# KiCad board trifecta.kicad_pcb (continued)
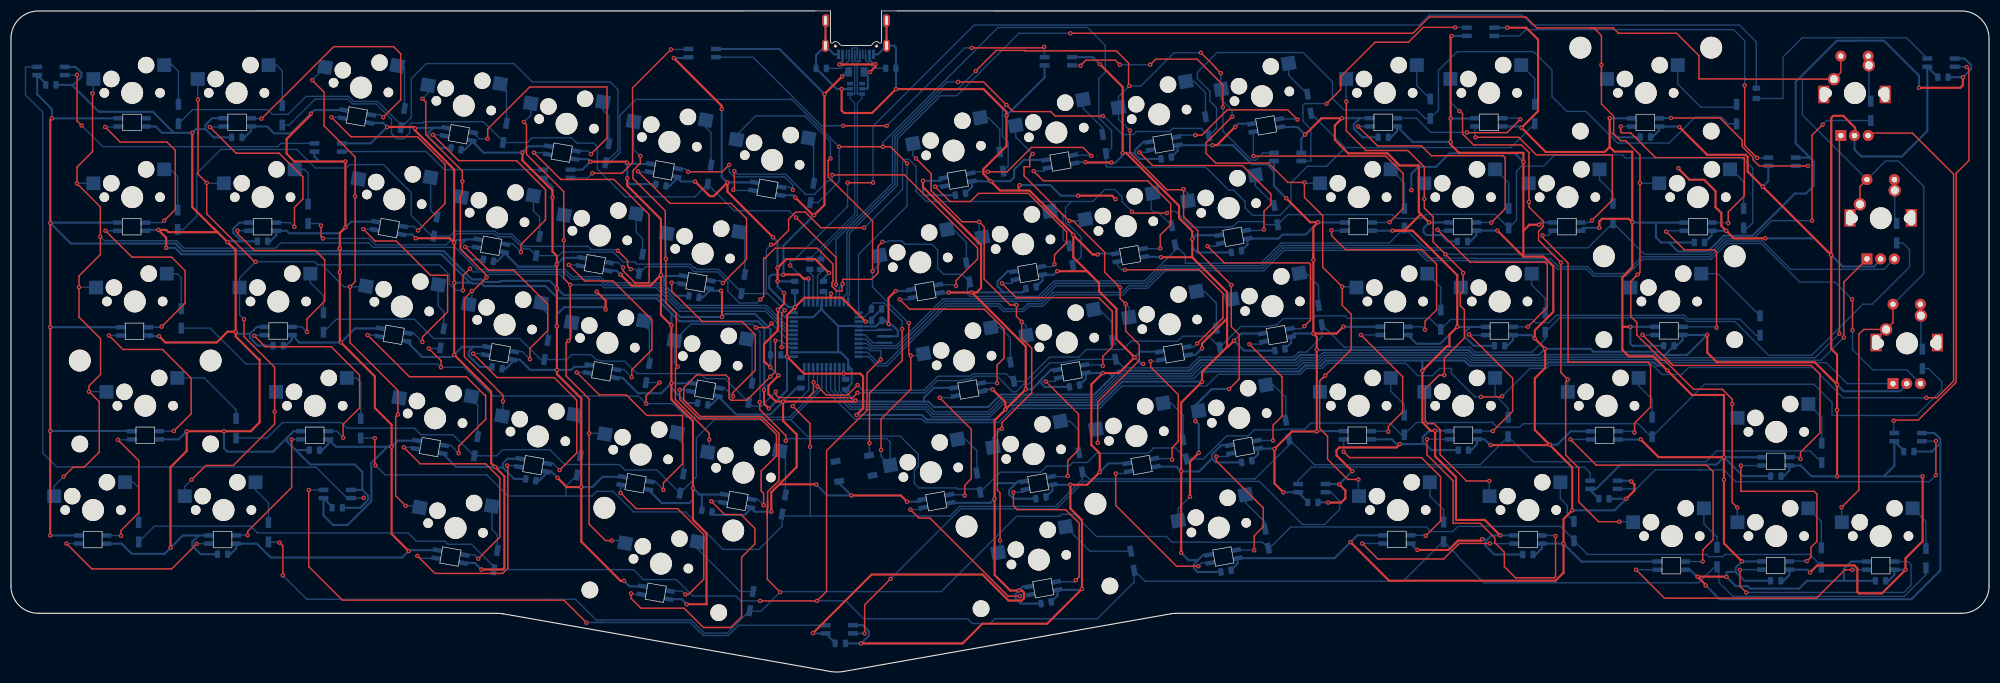
[diagram p0: board, top side]
## Routing (per net, layer and track width the routed paths; a pad name or vN(x,y) marks a point on that pad's centre or on a via; arc(x,y) is an arc through that point) (continued)
VBUS: length 18.4
  Top w0.381: v1(151.19,111) 157.69,111 v1(157.76,111.06) 157.76,110.57 v1(156.79,109.6)
  Bottom w0.381: v1(151.19,111) 151.77,111.57 J1.A4B9 ; v1(157.76,111.06) 157.46,111.06 156.67,111.85 J1.B4A9 ; U2.5 156.23,106.54 156.38,106.69 156.38,108.94 F1.2 155.71,109.6 v1(156.79,109.6)
0col: length 463.7
  Top w0.25: 288.24,117.66 278.47,117.66 276.47,119.66 258.83,119.66 255.85,116.68 v1(193.33,116.68) ; 288.24,117.66 288.86,117.66 290.25,116.27 v1(290.25,110.92) 290.25,103.76 292.49,101.53 292.49,98.39 292.45,98.35 293.73,97.07 294.69,97.07 297.29,94.47 v1(297.29,89.35) 297.29,73.01 v1(296.87,72.59) 295.62,71.35 295.62,64.95 296.71,63.86 296.71,61.57 301.33,56.95 301.77,56.95 307.07,51.65 312.31,51.65 314.11,49.85 v1(314.11,48.99) 314.11,30.98 v1(315.06,30.04) ; 288.24,117.66 292.4,117.66 293.38,116.68 303.97,116.68 308.06,112.59 308.06,108.36 316.6,108.36 316.66,108.3 K_31.1 ; SW2.S2 333.94,109.53 K_31.1 ; K_31.1 332.15,108.85 ; v1(334.09,30.1) 337.24,33.26 337.24,61.72 338.1,62.58 K_61.1 343.46,63.84 SW4.S2 ; SW3.S2 337.43,88.68 K_46.1
  Bottom w0.25: SW4.S2 349.08,72.81 349.08,88.71 344.43,93.36 342.11,93.36 SW3.S2 326.92,101.76 326.92,108.3 ; v1(314.11,48.99) 314.11,47.39 K_60.1 ; K_30.1 297.35,89.28 v1(297.29,89.35) ; 326.92,108.3 326.88,108.26 ; 326.92,108.3 K_31.1 ; v1(334.09,30.1) 334.09,27.41 K_72.1 ; U1.11 152.79,68.68 153.01,68.9 153.01,80.14 161.77,88.9 161.77,97.43 169.61,105.27 172.59,105.27 176.83,109.51 176.83,109.54 183.97,116.68 v1(193.33,116.68) ; v1(290.25,110.92) 290.25,109.35 K_15.1 ; K_71.1 315.06,27.39 v1(315.06,30.04) ; K_45.1 295.55,71.28 v1(296.87,72.59)
0row: length 10.8
  Bottom w0.25: 339.06,112.51 339.06,104.76 339.54,104.29 ; K_31.2 338.94,110.96 SW2.S1 ; 339.06,103.93 339.56,103.43
1row: length 8.4
  Bottom w0.25: D_46.2 343.78,82.29 K_46.2 343.71,88.05 SW3.S1 ; 344.16,81.24 344.32,81.08
2row: length 8.4
  Bottom w0.25: D_61.2 348.56,59.25 K_61.2 348.46,65.21 SW4.S1
col0: length 232.4
  Top w0.25: v1(9.62,35.69) 11.33,37.39 13.31,37.39 16.11,40.19 16.11,49.36 v1(14.25,51.23) 14.25,52.27 16.35,54.38 16.35,60.9 12.42,64.83 v1(12.42,70.29) 12.42,72.37 16.31,76.27 v1(16.31,79.53) 16.31,81.88 ; v1(14.89,105.71) 14.89,95.08 12.04,92.23 v1(12.04,89.23) 16.31,84.96 16.31,81.88 ; 16.31,81.88 16.31,82.13
  Bottom w0.25: v1(9.62,35.69) 7.9,33.96 K_62.1 ; v1(14.89,105.71) 15.04,105.86 K_1.1 ; v1(12.04,89.23) 12.1,89.28 K_17.1 ; v1(12.42,70.29) 15.46,70.29 K_33.1 ; v1(14.25,51.23) 17.37,51.23 K_47.1 ; U1.41 141.62,63.22 137.86,66.97 122.24,66.97 118.09,71.12 108.63,71.12 107.52,72.23 102.41,72.23 101.1,73.54 85.09,73.54 81.05,77.58 66.12,77.58 65.31,78.39 49.22,78.39 48.25,77.42 31.58,77.42 30.22,78.78 17.06,78.78 v1(16.31,79.53)
col1: length 319.3
  Top w0.25: v1(54.96,108.12) 57.15,105.93 57.15,99.76 62.81,94.1 v1(62.81,86.88) 62.81,71.31 v1(61.87,70.37) 61.87,60.19 70.61,51.45 v1(70.61,47.06) 70.21,46.66 70.21,32.19 v1(72.03,30.37) ; 34.14,98.46 34.14,90.95 v1(35.72,89.37) 35.72,83.68 44.46,74.95 v1(44.67,74.95) ; 34.14,98.46 34.14,98.35 ; 34.14,98.46 v1(34.14,104.56) ; v1(83.78,73.69) 82.49,72.41 v1(82.49,69.73) ; v1(32.96,35.13) 35.57,37.73 40.55,37.73 48.11,45.3 v1(48.11,47.58) 48.11,55.68 42.53,61.26 v1(42.53,64.43)
  Bottom w0.25: K_64.1 74.28,30.37 v1(72.03,30.37) ; v1(42.53,64.43) 41.71,65.26 K_34.1 41.71,71.99 v1(44.67,74.95) 55.4,74.95 55.98,74.37 56.78,74.37 ; v1(32.96,35.13) 31.71,33.87 K_63.1 ; v1(35.72,89.37) 35.81,89.28 K_18.1 ; 56.78,74.37 60.78,70.37 v1(61.87,70.37) 64.68,70.37 K_35.1 ; 56.78,74.37 78.21,74.37 80.01,72.58 80.01,70.93 81.21,69.73 v1(82.49,69.73) ; K_3.1 57.34,110.5 v1(54.96,108.12) ; v1(83.78,73.69) 84.37,73.09 100.91,73.09 102.22,71.78 107.33,71.78 108.44,70.67 117.9,70.67 122.05,66.52 137.68,66.52 141.78,62.42 U1.40 ; K_49.1 70.61,49.82 v1(70.61,47.06) ; v1(48.11,47.58) 48.11,50.92 K_48.1 ; K_2.1 34.09,104.61 v1(34.14,104.56) ; 38.86,89.92 38.54,89.6 ; v1(62.81,86.88) 62.81,89.48 K_19.1
col2: length 239.4
  Top w0.25: v1(75.1,104.72) 75.7,104.12 75.7,99.87 ; 75.7,99.87 75.7,98.18 82.38,91.5 v1(82.38,89.62) 82.38,87.38 82.01,87.01 82.01,77.27 86.78,72.5 v1(86.78,72.08) 84.31,69.61 v1(84.12,69.61) 82.75,68.24 82.75,57.6 89.78,50.56 v1(89.78,49.47) ; 75.7,99.87 75.7,99.95 ; v1(93.62,100.47) 94.07,100.01 94.07,94.58 100.87,87.78 v1(100.87,78.89) 100.87,71.92 v1(102.07,70.73) 102.07,60.86 v1(101.75,60.54) 101.31,60.11 101.31,54.08 105.51,49.89 v1(105.51,43.6) 105.51,27.02 108.5,24.02 v1(109.62,24.02)
  Bottom w0.25: K_65.1 111.6,24.02 v1(109.62,24.02) ; v1(82.38,89.62) 82.38,86.98 K_20.1 ; v1(105.51,43.6) 108.25,43.6 K_51.1 ; K_21.1 100.87,83.4 v1(100.87,78.89) ; v1(75.1,104.72) 76.1,105.72 K_4.1 ; v1(101.75,60.54) 102.32,61.11 K_37.1 ; U1.39 141.95,61.62 137.65,65.91 122.03,65.91 117.72,70.22 108.26,70.22 107.75,70.73 v1(102.07,70.73) 100.15,72.64 87.34,72.64 v1(86.78,72.08) ; v1(89.78,49.47) 89.78,46.93 K_50.1 ; K_36.1 84.12,67.75 v1(84.12,69.61) ; K_5.1 94.86,101.71 v1(93.62,100.47)
col3: length 245.7
  Top w0.25: v1(136.64,49.31) 136.64,47.96 141.4,43.21 v1(141.4,42.24) ; v1(138.81,63.67) 138.07,62.93 v1(135.94,62.93) ; v1(157.23,73.23) 157.24,73.24 157.24,82.36 149.14,90.46 149.14,93.41 v1(149.55,93.82) ; v1(158.79,40.57) 158.79,46.22 164.22,51.65 v1(164.22,57.81) 163.86,58.17 v1(163.86,63.74) ; v1(114.85,94.26) 114.85,92.94 113.53,91.62 113.53,90.14 119.42,84.26 119.42,75.59 v1(119.53,75.48) 119.53,67.43 121.41,65.54 121.41,56.04 v1(121.66,55.79) 121.26,55.39 121.26,49.79 125.81,45.24 125.82,45.24 127.43,43.62 v1(127.43,42.45)
  Bottom w0.25: v1(127.43,42.45) 127.43,40.44 K_52.1 ; v1(163.86,63.74) 163.84,63.74 157.23,70.35 v1(157.23,73.23) 158.53,74.53 K_23.1 ; v1(136.64,49.31) 136.7,49.26 136.7,62.17 v1(135.94,62.93) 135.31,63.56 124.07,63.56 K_38.1 121.08,56.38 v1(121.66,55.79) ; K_7.1 132.38,98.06 135.91,101.59 144.87,101.59 149.55,96.91 v1(149.55,93.82) ; v1(119.53,75.48) 119.53,79.99 K_22.1 ; K_6.1 113.62,95.49 v1(114.85,94.26) ; 158.1,76.08 158.1,75.22 ; v1(158.79,40.57) 158.79,39.43 K_53.1 160.45,42.01 159.82,42.64 141.8,42.64 v1(141.4,42.24) ; v1(164.22,57.81) 166.15,57.81 K_39.1 ; v1(138.81,63.67) 141.66,60.82 U1.38
col4: length 236.3
  Top w0.25: v1(165.17,93.81) 167.93,91.04 167.93,87.91 173.59,82.26 v1(176.69,82.26) 177.62,81.33 177.62,77.12 177.59,77.1 177.59,71.8 182.35,67.04 v1(183.5,67.04) 183.5,64.95 v1(184.47,63.99) 184.47,60.96 186.28,59.15 186.28,51.01 180.85,45.58 v1(180.85,44.47) 180.28,44.47 180.03,44.22 180.03,33.22 180.51,32.75 v1(180.51,24.04) ; v1(198.32,41.88) 198.32,49.33 205.92,56.93 205.92,59.79 203.42,62.29 v1(203.42,67.26) 202.41,68.27 v1(202.41,70.23) 199.59,73.04 199.59,76.67 193.86,82.4 v1(193.18,82.4) 192.28,83.3 192.24,83.3 184.88,90.65 184.88,92.31 185.91,92.31 185.91,94.09 v1(186.46,94.65)
  Bottom w0.25: v1(180.85,44.47) 179.13,42.75 179.13,41.16 K_54.1 ; v1(203.42,67.26) 204.05,66.63 K_41.1 ; K_66.1 180.51,22.14 v1(180.51,24.04) ; K_40.1 185.27,63.18 v1(184.47,63.99) ; K_24.1 176.69,80.02 v1(176.69,82.26) ; v1(198.32,41.88) 198.32,44.04 K_55.1 ; v1(193.18,82.4) 195.72,82.4 K_25.1 ; 182.82,67.72 182.82,67.72 v1(183.5,67.04) ; 182.82,67.72 187.9,67.72 190.73,70.55 202.08,70.55 v1(202.41,70.23) ; 182.82,67.72 170.3,67.72 170.04,67.47 170.01,67.47 161.72,59.17 157.03,59.17 156.18,60.02 U1.19 ; v1(165.17,93.81) 164.6,94.38 K_8.1 ; 196.96,83.62 196.96,82.56 ; v1(186.46,94.65) 183.36,97.75 K_9.1
  Bottom w0.381: 197.17,45.29 197.83,45.29
col5: length 328.3
  Top w0.25: v1(245.9,35.18) 243.96,35.18 240.27,38.87 240.27,43.06 238.83,44.51 238.83,53.2 239.37,53.74 239.44,53.74 v1(239.84,54.14) 239.84,54.14 239.82,54.14 244.59,58.91 244.59,65.36 242.95,67 v1(242.95,70.38) 239.39,73.94 239.39,83.36 236.06,86.69 v1(236.06,89.44) 233.02,89.44 229.49,92.98 219.86,92.98 218.08,94.76 218.08,96.67 v1(222.87,101.46) ; v1(176.07,109.79) 179.83,113.55 185.03,113.55 185.11,113.48 201.73,113.48 203.96,111.25 203.96,107.17 v1(204.07,107.06) ; v1(217.16,113.13) 219.86,110.43 219.86,110.34 v1(220.8,109.39) ; v1(222.3,51.69) 224.13,53.52 224.13,61.65 222.71,63.08 v1(222.71,70.7) 222.71,70.71 216.59,76.83 216.59,80.62 214,83.21 v1(214,88.21) 213.89,88.1 210.96,88.1 204.2,94.87 v1(204.2,98.92)
  Top w0.381: v1(216.77,40.03) 215.17,38.43 v1(215.17,32.03)
  Bottom w0.25: K_43.1 245.4,70.38 v1(242.95,70.38) ; K_26.1 214.81,87.4 v1(214,88.21) ; v1(222.87,101.46) 222.87,102.58 220.88,104.57 K_11.1 220.8,106.53 v1(220.8,109.39) ; v1(239.84,54.14) 238.88,53.18 K_57.1 ; K_27.1 236.21,89.28 v1(236.06,89.44) ; K_10.1 202.12,105.1 v1(204.07,107.06) 206.2,107.06 212.27,113.13 v1(217.16,113.13) ; K_10.1 202.12,101 v1(204.2,98.92) ; K_10.1 201.09,102.11 ; U1.10 151.99,68.52 152.56,69.09 152.56,80.33 161.32,89.09 161.32,97.65 168.87,105.2 168.9,105.2 170.05,106.34 172.61,106.34 v1(176.07,109.79) ; v1(215.17,32.03) 213.01,29.87 K_67.1 ; K_42.1 222.71,68.2 v1(222.71,70.7) ; K_68.1 245.9,32.25 v1(245.9,35.18)
  Bottom w0.381: v1(216.77,40.03) 216.77,45.23 v1(216.17,45.83) 216.17,48.73 217.43,49.98 ; 217.43,49.98 219.13,51.69 v1(222.3,51.69) ; 217.43,49.98 217.26,49.82
col6: length 360.1
  Top w0.25: v1(243.7,104.21) 243.7,98.85 247.28,95.27 254.92,95.27 257.94,92.26 v1(257.94,86.42) 257.94,84.77 259.55,83.16 259.55,78.56 v1(261.78,76.32) 265.02,73.08 v1(265.02,72.89) 265.02,69.56 264.51,69.04 264.51,66.89 265.25,66.15 265.25,61 261.59,57.34 v1(261.59,54.23) 260.59,54.23 258.1,51.74 258.1,45.85 258.57,45.37 259.73,45.37 260.81,44.28 260.81,39.74 265.64,34.9 v1(269.79,34.9) ; v1(264.33,102.49) 264.92,101.91 264.92,98.3 266.92,96.3 275.63,96.3 277.03,94.9 v1(277.03,85.88) 277.03,84.96 279.6,82.4 279.6,81.36 278.78,80.55 278.78,78.88 v1(282.86,74.79) 282.86,54.7 v1(284.12,53.44) 283.72,53.04 283.72,39.65 286.12,37.26 286.12,31.08 289.73,27.47 v1(293.54,27.47)
  Bottom w0.25: v1(284.12,53.44) 284.12,51.19 K_59.1 ; K_58.1 257.93,51.41 260.75,54.23 v1(261.59,54.23) ; v1(293.54,27.47) 295.93,27.47 K_70.1 ; v1(257.94,86.42) 257.94,89.27 K_28.1 ; 269.83,32.13 269.79,32.17 v1(269.79,34.9) ; U1.18 156.02,60.82 157.21,59.62 161.53,59.62 170.09,68.17 187.71,68.17 190.54,71 207.08,71 210.3,74.23 228.29,74.23 231.98,77.92 251.73,77.92 251.74,77.92 256.87,77.92 257.74,77.05 261.06,77.05 v1(261.78,76.32) 281.33,76.32 v1(282.86,74.79) ; v1(277.03,85.88) 277.03,89.23 K_29.1 ; K_12.1 243.64,104.27 v1(243.7,104.21) ; K_13.1 262.69,104.14 v1(264.33,102.49) ; v1(265.02,72.89) 265.02,70.66 K_44.1
D+: length 43.7
  Bottom w0.2: U2.6 155.32,104.79 154.44,103.92 154.44,83.47 147.76,76.79 R4.2
  Bottom w0.25: 154.93,111.66 154.42,111.15 154.42,105.7 154.54,105.59 U2.6 ; 154.93,111.66 154.04,111.66 153.97,111.73 J1.A6 ; 154.93,111.66 154.97,111.7 J1.B6
D-: length 45.4
  Bottom w0.2: U2.1 153.12,104.79 153.99,103.92 153.99,83.66 R5.2
  Bottom w0.25: U2.1 153.9,105.59 153.97,105.66 153.97,111.09 153.44,111.62 153.44,112.81 J1.B7 153.47,113.92 153.56,114.01 154.39,114.01 154.47,113.93 J1.A7
ENC0A: length 232.2
  Top w0.25: 334.06,98.01 333.69,97.64 v1(333.69,61.83)
  Bottom w0.25: v1(333.69,61.83) 329.27,57.41 301.01,57.41 300.43,57.98 279.94,57.98 279.36,57.41 266.74,57.41 265.82,58.32 239.38,58.32 238.47,57.41 235.47,57.41 234.56,56.5 217.24,56.5 215.24,54.51 202.27,54.51 197.93,50.17 180.97,50.17 178.32,47.52 168.55,47.52 167.17,48.9 153.55,48.9 151.19,51.26 151.19,55.92
ENC0B: length 286.1
  Top w0.25: 338.62,97.69 338.49,97.82 338.49,98.19 338.75,98.46 347,98.46 354.52,90.95 354.52,53.15 351.47,50.1 v1(349.56,50.1) ; v1(272.14,50.37) 272.03,50.26 v1(268.29,50.26)
  Bottom w0.25: 272.04,50.27 v1(272.14,50.37) 277.25,55.48 280.16,55.48 280.74,56.05 299.64,56.05 301.34,54.35 304.88,54.35 306.17,55.63 328.84,55.63 334.36,50.1 v1(349.56,50.1) ; v1(268.29,50.26) 268.28,50.27 267.18,50.27 266.03,51.41 266.03,51.41 262.86,54.59 262.86,55.48 260.75,55.48 259.4,54.13 256.79,54.13 254.53,56.39 240.18,56.39 239.27,55.48 236.38,55.48 235.29,54.39 220.33,54.39 218.19,52.25 202.74,52.25 198.66,48.17 182.89,48.17 182.83,48.22 182.09,47.48 182.09,47.43 180.24,45.59 166.88,45.59 166.23,46.24 153.96,46.24 148.79,51.42 U1.28
ENC1A: length 213.6
  Top w0.25: v1(334.48,61.11) 334.48,71.24 SW3.A
  Bottom w0.25: 150.39,55.92 150.39,51.43 153.37,48.45 166.96,48.45 168.34,47.07 178.5,47.07 181.14,49.71 198.1,49.71 202.45,54.06 215.51,54.06 217.46,56.01 234.7,56.01 235.65,56.96 238.65,56.96 239.57,57.87 265.64,57.87 266.55,56.96 279.55,56.96 280.13,57.53 300.25,57.53 300.82,56.96 330.35,56.96 334.5,61.11 334.48,61.11 v1(334.48,61.11)
ENC1B: length 206.8
  Bottom w0.25: 159.59,56.36 159.65,56.36 170.56,67.27 180.36,67.27 181.32,66.31 184.62,66.31 185.58,67.27 188.09,67.27 190.16,69.35 202.77,69.35 203.97,70.55 207.26,70.55 210.49,73.78 228.47,73.78 232.17,77.47 251.55,77.47 251.55,77.47 256.68,77.47 258.56,75.6 267.26,75.6 267.34,75.52 280.96,75.52 282.41,74.07 287.7,74.07 288.98,72.79 294.56,72.79 297.64,75.87 310.11,75.87 312.98,78.74 319.6,78.74 324.78,73.56 341.81,73.56 SW3.B ; 159.59,56.36 159.67,56.36 ; 159.59,56.36 158.37,56.36 156.32,58.42 U1.21
ENC2A: length 207.2
  Bottom w0.25: 149.59,55.92 149.59,51.59 153.18,48 166.78,48 168.15,46.62 178.69,46.62 181.33,49.26 198.29,49.26 202.64,53.61 215.87,53.61 217.68,55.42 234.75,55.42 235.84,56.51 238.84,56.51 239.75,57.42 265.45,57.42 266.36,56.51 279.74,56.51 280.31,57.08 300.06,57.08 300.64,56.51 331.3,56.51 335.11,52.69 SW4.A
ENC2B: length 224.4
  Top w0.25: v1(336,68.09) 336.08,68.01 v1(336.08,62.42)
  Bottom w0.25: SW4.B 345.95,55.21 339.77,55.21 336.08,58.9 v1(336.08,62.42) ; v1(336,68.09) 332.86,71.22 326.48,71.22 319.42,78.29 316.8,78.29 316.78,78.27 313.15,78.27 310.3,75.42 297.83,75.42 294.75,72.34 288.8,72.34 287.52,73.62 282.22,73.62 280.77,75.07 267.15,75.07 267.07,75.15 258.37,75.15 256.5,77.02 251.37,77.02 251.36,77.02 232.35,77.02 228.61,73.28 220.49,73.28 220.45,73.33 210.68,73.33 207.45,70.1 204.16,70.1 202.95,68.9 190.35,68.9 188.27,66.82 185.77,66.82 184.81,65.86 181.13,65.86 180.18,66.82 172.03,66.82 172.02,66.82 170.74,66.82 162.5,58.59 162.5,58.56 159.86,55.91 158.19,55.91 156.48,57.62 U1.22
LED: length 223
  Top w0.25: v1(152.68,89.39) v1(157.32,89.39)
  Bottom w0.25: R7.2 318.52,115.12 315.44,118.2 277.58,118.2 275.74,120.03 263.13,120.03 263.12,120.02 258.82,120.02 257,118.2 175.79,118.2 157.32,99.72 v1(157.32,89.39) ; v1(152.68,89.39) 152.68,85.05 142.87,75.24 142.21,75.24 v1(142.21,74.28) 144.79,71.7 144.79,67.32
row0: length 386.8
  Top w0.25: v1(143.29,83.02) 150.57,75.74 v1(150.57,70.81) ; 199.21,101.56 190.57,101.56 189.75,102.38 182.88,102.38 v1(181.68,103.59) 177.48,107.79 v1(172.84,107.79)
  Bottom w0.25: 71.03,97.42 71.05,97.44 ; 71.03,97.42 70.44,97.42 69.81,98.06 69.78,98.06 69.44,98.4 69.44,101.01 66.66,103.78 62.34,103.78 61.47,104.65 55.51,104.65 50.77,99.91 D_2.1 ; 71.03,97.42 71.68,97.42 72.81,98.55 72.81,100 73.1,100.29 75.11,100.29 75.35,100.53 86.22,100.53 89.82,96.93 D_4.1 94.25,96.73 95.11,97.59 102.31,97.59 103.27,96.62 106.36,96.62 107.01,95.96 107.01,91.91 112.13,86.79 124.8,86.79 D_6.1 132.01,84.26 142.04,84.26 v1(143.29,83.02) ; D_8.1 181.98,92.42 181.98,96.8 180.95,97.83 180.95,102.87 v1(181.68,103.59) ; 89.7,96.18 89.7,95.92 ; D_15.1 313.41,100.15 312.2,101.36 307.37,101.36 306.16,100.15 306.15,100.15 302.64,96.64 293.21,96.64 287.43,102.42 283.95,102.42 281.24,105.13 281.24,109.96 277.87,113.32 263.94,113.32 260.51,109.89 260.51,102.63 D_12.1 258.09,101.13 256.55,102.67 243.28,102.67 241.17,104.78 241.17,107.84 235.85,113.16 220.11,113.16 216.53,109.58 216.53,108.39 218.83,106.09 218.83,104.28 220.02,103.08 220.02,99.34 D_10.1 217.21,99.32 212.01,99.32 211.43,98.74 205.42,98.74 204.88,98.2 202.83,98.2 199.46,101.56 v1(199.25,101.56) ; U1.8 150.57,67.7 v1(150.57,70.81) 150.57,78.97 160.87,89.28 160.87,97.84 170.82,107.79 v1(172.84,107.79)
row1: length 400.5
  Top w0.25: v1(163.53,92.93) 160.5,95.96 v1(159.14,95.96) v1(151.13,95.96)
  Bottom w0.25: 243.5,95.8 240.08,92.38 236.59,92.38 233.59,89.39 233.59,85.47 231.55,83.42 226.59,83.42 225.24,84.77 225.24,85.92 223.12,88.04 222.23,88.04 218.04,92.23 200.03,92.23 199.84,92.42 D_9.1 200.86,95.74 200.86,98.9 198.53,101.24 198.53,108.4 199.71,109.58 199.71,114.46 196.42,117.75 180.15,117.75 159.14,96.74 v1(159.14,95.96) ; 243.5,95.8 D_11.1 ; 243.5,95.8 273.71,95.8 D_13.1 ; 70.9,99.54 70.9,99.09 ; D_7.1 147.29,85.76 151.13,89.61 v1(151.13,95.96) 142.5,104.6 114.05,104.6 111.14,101.69 111.14,94.88 109.28,93.02 D_5.1 110.76,95.27 110.76,106.39 109.35,107.8 95.13,107.8 91.79,111.15 75.8,111.15 73.06,108.41 73.06,101.32 D_3.1 71.2,99.97 66.94,104.23 62.53,104.23 61.6,105.16 53.86,105.16 50.57,101.87 47.72,101.87 46.86,102.73 33.14,102.73 D_1.1 ; v1(163.53,92.93) 163.53,85.14 158.71,80.32 ; 158.71,80.32 154.69,76.3 U1.12 ; 158.71,80.32 158.88,80.49
row2: length 359.1
  Top w0.25: v1(141.18,66.07) 140.65,65.53 v1(140.65,59.35) ; v1(56.59,81.55) 56.59,79.55 v1(56.93,79.21) ; v1(155.71,81.17) 147.81,81.17 144.95,84.03 143.22,84.03 141.9,82.71 141.9,80.69 139.27,78.06 v1(138.7,78.06) ; v1(204.57,84.08) 204.81,83.84 v1(210.92,83.84)
  Bottom w0.25: v1(155.71,81.17) 162.7,88.16 162.7,93.17 163.19,93.65 163.88,93.65 165.2,92.34 165.2,87.83 167.07,85.96 193.56,85.96 ; 138,69.13 D_22.1 133.3,69.4 129.14,73.56 125.18,73.56 124.86,73.88 124.62,73.88 123.99,74.51 114.23,74.51 113.82,74.92 111.72,74.92 109.92,76.71 100.6,76.71 99.96,76.07 D_20.1 94.62,77.31 93.49,77.31 91.3,79.5 89.17,79.5 88.64,79.6 88.15,80.09 81.46,80.09 79.41,78.03 66.56,78.03 65.38,79.21 v1(56.93,79.21) ; 138,69.13 138.12,69.13 v1(141.18,66.07) ; 138,69.13 137.85,69.27 137.85,77.21 v1(138.7,78.06) ; 204.57,84.14 202.75,85.96 202.75,86.85 201.46,88.13 199.61,88.13 197.43,85.96 193.56,85.96 ; 193.56,85.96 192.45,84.85 192.45,82.05 192.83,81.67 193.1,81.67 195.3,79.47 195.3,75.86 D_24.1 ; v1(140.65,59.35) 142.75,59.35 U1.36 ; 193.78,74.31 194.02,74.31 ; D_30.1 316.9,81.12 317.88,82.1 317.88,92.01 315.99,93.9 294.67,93.9 294.11,94.46 281.74,94.46 279.69,92.42 275.68,92.42 274.76,91.49 274.76,82.55 D_28.1 270.85,83.61 258.26,83.61 257.51,82.86 254.03,82.86 254.01,82.88 252.79,82.88 252.12,83.56 233,83.56 D_26.1 229.03,81.71 228.47,82.27 223.92,82.27 223.05,81.4 222.23,81.26 215.44,81.26 212.55,84.14 211.23,84.14 v1(210.92,83.84) ; D_18.1 56.21,81.93 v1(56.59,81.55)
row3: length 409.5
  Top w0.25: v1(136.76,68.04) 137.36,68.63 137.36,75.62 137.63,75.62 139.45,77.43 147.11,77.43 150.02,74.53 150.02,71.33 149.84,71.16 149.84,70.46 150.7,69.6 151.63,69.6 151.63,70.73 v1(151.79,70.88) 151.79,71.74 157.07,71.74 158.22,72.89 158.22,77.75 v1(159.04,78.57) ; v1(328.7,82.45) 328.7,98.07 v1(330.63,100) ; v1(110.74,76.96) 112.53,75.18 112.53,74.19 v1(113.11,73.6)
  Bottom w0.25: 292.36,81.22 292.44,81.22 ; D_25.1 212.46,77.02 206.89,71.45 190.36,71.45 187.53,68.62 174.98,68.62 174.55,69.06 174.55,70.83 D_23.1 173.56,72.67 170.21,72.67 169.11,73.77 169.11,77.11 168.08,78.15 163.18,78.15 162.56,78.77 161.04,78.77 ; D_25.1 214.31,76.18 214.31,74.68 228.1,74.68 231.8,78.37 251.55,78.37 D_27.1 257.93,77.5 287.8,77.5 D_29.1 298.1,76.32 309.93,76.32 312.8,79.19 318.07,79.19 321.33,82.45 v1(328.7,82.45) ; D_25.1 212.65,78.22 ; 161.04,78.77 160.79,78.77 ; 161.04,78.77 161.03,78.76 160.14,78.76 159.96,78.57 v1(159.04,78.57) ; v1(110.74,76.96) 110.54,77.16 105.92,77.16 105.32,77.76 93.68,77.76 91.49,79.95 91.34,79.95 91.28,80.01 88.86,80.01 88.33,80.54 80.99,80.54 80.09,79.65 D_19.1 76.81,79.65 73.04,83.42 73.04,87.56 68.92,91.69 68.92,91.78 ; v1(151.79,70.88) 151.19,70.28 U1.9 ; 30.42,80.85 31.47,80.85 33.92,83.3 33.92,91.11 38.28,95.47 52.16,95.47 55.55,92.08 61.19,92.08 61.8,92.69 68,92.69 68.92,91.78 ; 339.41,100.28 339.56,100.13 ; 77.06,79.22 77.06,79.09 ; 68.92,91.78 68.82,91.87 ; D_21.1 113.87,73.6 v1(113.11,73.6) ; D_21.1 115.88,74.06 123.75,74.06 124.62,73.19 125.08,73.11 128.95,73.11 130.83,71.23 130.83,69.54 132.95,67.42 136.15,67.42 v1(136.76,68.04) ; D_21.1 114.65,73.73 ; D_31.1 331.36,100.74 v1(330.63,100) ; 212.55,77.42 212.55,78.92 ; 175.03,70.8 175.03,71.24
row4: length 330
  Top w0.25: v1(147.19,52.19) 148.79,50.59 152.66,50.59 v1(154.5,52.43) ; v1(115.92,49.02) 115.92,50.44 v1(118.36,52.89) ; v1(76.24,59.12) 78.49,56.87 v1(78.49,55.67)
  Bottom w0.25: v1(154.5,52.43) 155.46,51.47 166.62,51.47 169.2,54.05 175.07,54.05 175.51,54.49 181.62,54.49 D_39.1 185.16,53.1 185.16,53.14 189.56,57.55 194.89,57.55 196.26,58.92 202.93,58.92 204.47,60.45 212.91,60.45 213.81,61.35 218.56,61.35 D_41.1 224.42,63.12 229.13,63.12 231.06,63.46 232.18,64.58 237.65,64.58 238.13,65.06 243.5,65.06 243.96,64.61 258.92,64.61 D_43.1 262.77,64.42 277.67,64.42 278.26,63.82 280.67,63.82 282,65.15 305.39,65.15 306.06,64.49 315.48,64.49 318.45,61.51 D_45.1 ; D_37.1 115.92,52.89 v1(118.36,52.89) ; 31.73,62.83 D_33.1 36.34,62.83 42.88,56.28 77.88,56.28 v1(78.49,55.67) 82.71,55.67 87.96,50.42 114.53,50.42 v1(115.92,49.02) 120.81,49.02 123.28,46.55 142.11,46.55 147.19,51.62 v1(147.19,52.19) U1.30 ; 183.04,52.85 183.11,52.85 ; D_35.1 78.27,59.12 v1(76.24,59.12)
row5: length 337.5
  Top w0.25: v1(139.59,51.21) 139.59,50.66 140.12,50.14 145.09,50.14 ; v1(146.46,52.92) 146.46,51.13 145.47,50.14 145.09,50.14 ; v1(154.49,51.02) 153.4,49.93 153.19,50.14 145.09,50.14
  Bottom w0.25: v1(139.59,51.21) 136.97,48.59 135.3,48.59 D_38.1 134.63,49.27 130.31,53.59 126.78,53.59 125.86,54.52 114.25,54.52 111.98,56.78 108.26,56.78 106.8,57.04 105.86,57.98 102.31,57.98 101.43,57.09 D_36.1 96.65,57.09 92.81,60.93 77.13,60.93 73.62,64.44 59.52,64.44 59.45,64.51 D_34.1 ; U1.31 146.46,55.64 v1(146.46,52.92) ; D_46.1 345.22,78.38 346.48,77.13 346.48,73.99 339.68,67.2 337.98,67.2 330.4,59.61 330.38,59.61 328.63,57.86 320.78,57.86 314.59,64.04 306.56,64.04 305.87,64.04 305.21,64.7 282.62,64.7 D_44.1 280,60.83 277.61,58.44 267.16,58.44 266.25,59.35 243.33,59.35 D_42.1 239.25,61.25 236.43,58.44 235.04,58.44 234.32,57.72 234.26,57.72 234.07,57.53 216.81,57.53 214.84,55.56 203.16,55.56 D_40.1 197.48,57.12 197.47,57.11 195.07,57.11 191.48,56.48 189.56,56.48 185.68,52.6 184.85,52.6 183.45,51.2 182.78,51.2 179.94,54.04 175.8,54.04 175.41,53.65 173.04,53.23 169.02,53.23 166.81,51.02 v1(154.49,51.02) ; 97.19,56.3 97.19,56.29 ; 239.37,62.71 239.52,62.71 ; 201.79,56.22 201.79,56.39
row6: length 333.7
  Top w0.25: v1(66.51,37.77) 66.4,37.88 v1(66.4,42.72) ; v1(142.64,48.58) 145.83,45.39 v1(145.83,41.15)
  Bottom w0.25: 101.28,32.16 101.28,33.96 D_50.1 ; 101.28,32.16 106.05,32.16 106.89,33 109.89,33 113.65,29.25 123.11,29.25 129.96,22.4 136.49,22.4 140.73,26.63 D_52.1 141.09,28.5 145.87,28.5 ; 101.28,32.16 90.7,32.16 86.85,36.01 68.27,36.01 v1(66.51,37.77) ; D_48.1 66.37,42.75 v1(66.4,42.72) ; 145.87,28.5 145.87,41.11 v1(145.83,41.15) ; 145.87,28.5 171.38,28.5 173.15,30.27 190.58,30.27 195.51,35.19 D_54.1 196.78,35.28 227.05,35.28 233.26,41.49 D_56.1 237.88,37.88 268.13,37.88 D_58.1 277.84,38.38 277.88,38.42 309.3,38.42 311.27,40.39 328.34,40.39 D_60.1 ; U1.32 145.59,51.52 v1(142.64,48.58) ; 195.74,35.74 195.74,36.24 ; 103.04,35.53 103.16,35.53
row7: length 377.9
  Bottom w0.25: D_47.1 46.73,42.76 49.55,45.58 60.28,45.58 61.31,44.55 73.62,44.55 74.83,43.34 80.66,43.34 84.5,39.5 D_49.1 88.63,39.5 89.75,40.62 98.34,40.62 101.05,37.91 111.03,37.91 112.03,36.91 117.88,36.91 D_51.1 125.09,35.68 125.09,42.79 128.4,46.1 131.29,46.1 ; 131.29,46.1 142.3,46.1 ; 131.29,46.1 130.94,46.1 ; 142.3,46.1 145.3,43.09 162.28,43.09 165.6,39.77 165.6,37.61 164.85,36.86 164.85,34.47 165.69,33.63 172.58,33.63 172.77,33.44 176.31,33.44 D_53.1 180.53,36.51 187.93,36.51 189.05,37.63 193.11,37.63 193.76,38.28 196.43,38.28 198.1,39.95 207.55,39.95 208.53,40.93 212.51,40.93 D_55.1 217.61,38.92 221.84,43.14 225.57,43.14 225.82,43.19 226.88,44.25 231.83,44.25 231.96,44.38 236.13,44.38 237.23,45.48 251.65,45.48 253.76,43.37 D_57.1 256.5,45.59 270.16,45.59 270.26,45.7 271.23,44.73 275.34,44.73 275.98,45.37 296.95,45.37 299.31,43.01 D_59.1 309.07,52.57 329.01,52.57 332.34,49.25 332.34,46.88 347.7,46.88 352.36,51.54 352.36,53.05 349.97,55.43 D_61.1 ; 142.3,46.1 147.99,51.78 U1.29 ; 122.02,32.16 122.02,32.42 ; 177.02,32.25 177.02,33.45 ; 84.49,38.97 84.49,38.96
row8: length 402.9
  Top w0.25: 138.03,28.85 138.03,28.21 ; 138.03,28.85 138.03,30.09 ; 138.03,28.85 138.03,29.63 138.08,29.68 138.08,30.84 ; 138.03,30.09 138.08,30.14 ; 138.03,30.09 138.03,16.95 v1(140.37,14.6) ; 138.08,30.14 138.08,30.84 ; 138.08,30.14 138.08,31.69 ; v1(49.01,23.63) 49.61,23.04 v1(49.61,17.67) ; v1(139.5,60.56) 139.5,54.87 v1(138.6,53.96) 134.28,49.64 131.42,49.64 131.04,50.02 131.04,53.65 130.44,54.25 125.11,54.25 122.78,51.92 122.78,49.7 125.79,46.69 137.03,46.69 140.15,43.56 140.15,34.97 138.08,32.89 138.08,31.69 ; 138.08,30.84 138.08,31.69
  Bottom w0.25: 97.85,13.29 103.03,13.29 106.81,9.51 124.13,9.51 126.52,7.12 130.73,7.12 D_65.1 134.92,11.11 136.89,11.11 v1(140.37,14.6) 140.46,14.68 169.76,14.68 183.52,28.45 191.38,28.45 191.74,28.81 194.07,28.81 198.11,24.77 210.88,24.77 211.91,23.74 217.65,23.74 217.66,23.73 228.39,23.73 D_67.1 229.69,22.62 233.56,26.49 258.29,26.49 259.13,25.66 263.13,25.66 264.08,26.61 282.81,26.61 285.25,24.17 D_69.1 287.74,21.48 309.44,21.48 309.84,21.08 312.4,21.08 312.8,21.48 328.29,21.48 330.38,19.39 D_71.1 ; 97.85,13.29 98.05,13.29 ; 97.85,13.29 53.98,13.29 v1(49.61,17.67) ; v1(139.5,60.56) 140.51,60.56 141.05,60.02 U1.37 ; v1(49.01,23.63) 48.89,23.76 D_63.1